# Altium PCB AEX1_PiOBD_V0.2_ALLPCB_6L.PcbDoc (part 2 of 4) (continued)
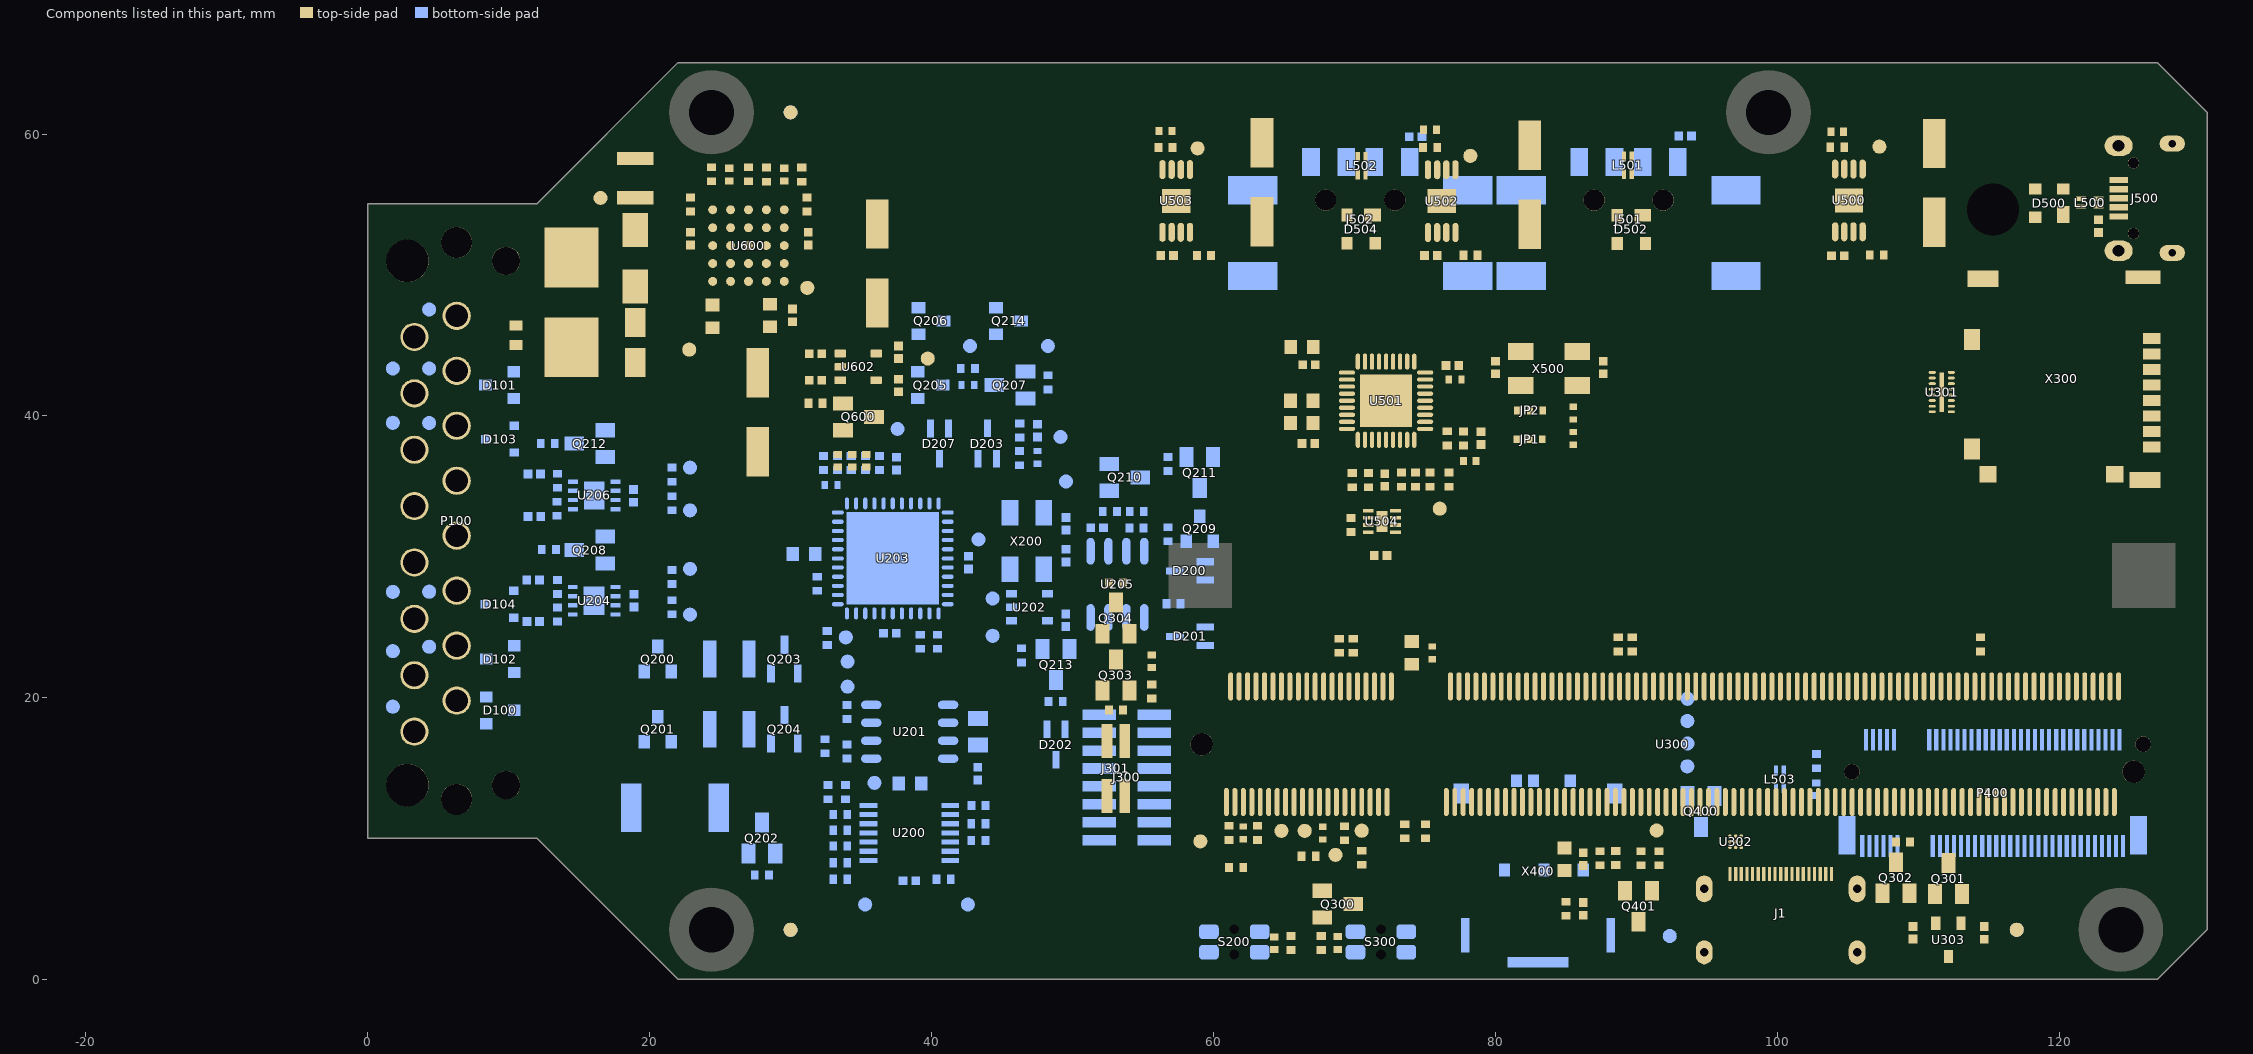
[diagram p6: the components of this part, seen from the top]
## Part data (continued)
D103 D104: library part CMP-2000-04916-1, "CAN Bus ESD Protection Diode, 200 W, 24 V, -65 to 150 degC, 3-Pin SOT23, RoHS, Tape and Reel", Breakdown Voltage=27.8V, Breakdown Voltage Max=30.3V, Breakdown Voltage Min=25.4V, Breakdown Voltage Range=25.4Vto30.3V, Capacitance Cd @ Vr Max=17pF, Capacitance Cd @ Vr Typ=11pF, Clamping Voltage @ 8/20µs Max=70V, Diode Case Style=SOT-23, Manufacturer="NXP Semiconductors", Operating Temperature max=150degC, Operating Temperature min=-65degC, Operating Temperature Range=-65degCto+150degC, Peak Pulse Current Ippm=3A, Peak Pulse Power=200W, Reverse Stand-Off Voltage Vrwm=24V, Breakover Voltage Min=25.4V, Clamping Voltage Vc Max=70V, Datasheet URL=https://datasheet.ciiva.com/22692/109497-22692467.pdf, Datasheet Version="Rev. 04, 02/2008", Diode Configuration=Bidirectional, Diode Type=BidirectionalTVS, Manufacturer URL=http://www.nxp.com/, No. of Pins=3, Package / Case=SOT-23, SMD Marking=AN, Stand-off Voltage=24V, SVHC=NoSVHC(20-Jun-2013), Termination Type=SMD, TVS Polarity=Bidirectional
D200 D201 D202 D203 D207: library part CMP-1176-00024-1, "Silicon Switching Diode, SOT323, Reel, Green", Manufacturer=Infineon, ComponentLink1Description="Manufacturer URL", ComponentLink1URL=http://www.infineon.com/, ComponentLink2Description=Datasheet, ComponentLink2URL=http://www.infineon.com/dgdl/bas16series.pdf?folderId=db3a30431400ef6801141b5844e103ea&fileId=db3a30431400ef6801141b93811b03ff, ComponentLink3Description="Package Specification", ComponentLink3URL=http://www.infineon.com/dgdl/SOT323-Package_Overview.pdf?folderId=db3a30431936bc4b0119533e1dcb3c92&fileId=db3a30431936bc4b011953495f283cb1, Configuration=Single, Green=TRUE, Halogen-free=TRUE, IF (max)="250 mA", IR (max)="100 nA", Mounting Technology="Surface Mount", PackageDescription="3-Pin Small Outline Transistor Package, 1.25 x 2 mm Body, 0.65 mm Pitch", PackageReference=SOT323, PartNumber=BAS16W, trr (max)="4 ns", VBR (min)="85 V", VF (max)="1.25 V", VR (max)="80 V"
D204 D205 D206 D300 D301 D302 D400 D501 D503 D505: library part CMP-06096-1, "Standard LEDs - SMD Yellowish Green 569nm 2.1mcd 50mW Pd 1.9V Vf", Case=0402, Colour LED1="yellowish green", Forward Current LED1=20mA, Forward Voltage LED1=1,9V, Manufacturer=ROHM, Manufacturer Part Number=SML-P11MT(R), Operating Temperature max=85°C, Operating Temperature min=-40°C, Reverse Voltage LED1=5V, Assembly=yes, ComponentLink1Description=Datahseet, ComponentLink1URL=https://d1d2qsbl8m0m72.cloudfront.net/en/products/databook/datasheet/opto/led/chip_mono/sml-p11-e.pdf, Luminous Intensity LED1=2.1mcd, Mounting Type=SMT, Wavelength LED1=569nm
D500 D502 D504: library part CMP-1188-00003-1, "Silicon Switching Diode Array, SOT143-4-1, Reel, Green", Manufacturer=Infineon, ComponentLink1Description="Manufacturer URL", ComponentLink1URL=http://www.infineon.com/, ComponentLink2Description=Datasheet, ComponentLink2URL=http://www.infineon.com/dgdl/bgx50aseries.pdf?folderId=db3a30431400ef6801141cc1c4cd04e8&fileId=db3a30431400ef6801141cc423c404e9, ComponentLink3Description="Package Specification", ComponentLink3URL=http://www.infineon.com/dgdl/SOT143-Package_Overview.pdf?folderId=db3a30431936bc4b011952ce8b1b3bed&fileId=db3a30431936bc4b011952df42203c0c, Configuration=Bridge, Green=TRUE, IF (max)="140 mA", IR (max)="0.2 uA", Mounting Technology="Surface Mount", PackageDescription="4-Pin Small Outline Transistor Package, 1.3 x 2.9 mm Body", PackageReference=SOT143, PartNumber=BGX50A, trr (max)="6 ns", VF (max)="1.3 V", VR (max)="50 V"
D506 D600 D601: library part CMP-06093-1, "Standard LEDs - SMD Red 621nm 2.5mcd 50mW Pd 1.8V Vf", Case=0402, Colour LED1=red, Forward Current LED1=20mA, Forward Voltage LED1=1.8V, Manufacturer=ROHM, Manufacturer Part Number=SML-P11UT(R), Operating Temperature max=85°C, Operating Temperature min=-40°C, Reverse Voltage LED1=5V, Assembly=yes, ComponentLink1Description=Datahseet, ComponentLink1URL=https://d1d2qsbl8m0m72.cloudfront.net/en/products/databook/datasheet/opto/led/chip_mono/sml-p11-e.pdf, Luminous Intensity LED1=2.5mcd, Mounting Type=SMT, Wavelength LED1=621nm
D602: library part CMP-04677-4, "50V Surface Mount Glass Passivated Rectifier", Case=DO-214AC, Forward Current=1A, Forward Voltage=1.1V, Manufacturer=VISHAY, Manufacturer Part Number=S1A-E3, Operating Temperature max=150°C, Operating Temperature min=-55°C, Reverse Current=1µA, Reverse Voltage=50V, Assembly=yes, ComponentLink1Description=Datasheet, ComponentLink1URL=http://www.vishay.com/diodes/list/product-88711/, Mounting Type=SMT, Reverse Recovery Time=1.8µs
D603: library part CMP-0548-00307-2, "Transient Voltage Suppressor, 6.40 to 231 V, 15 V Stand-off Voltage, Uni-Directional, -55 to 155 degC, 2-pin DO-214AC, Pb-Free, Tape and Reel", Manufacturer="Vishay Semiconductor", Operating Junction and Storage Temperature Range="-55 to 150 degC", ComponentLink1Description="Manufacturer URL", ComponentLink1URL=http://www.vishay.com/, ComponentLink2Description=Datasheet, ComponentLink2URL=http://www.vishay.com/docs/88390/smaj50a.pdf, ComponentLink3Description="Package Specification", ComponentLink3URL=http://www.vishay.com/docs/88390/smaj50a.pdf, DatasheetVersion=12/8/2013, ID (uA)=1, IFSM="40 A", Mounting Technology="Surface Mount", PackageDescription="2-Pin DO-214AC (SMA), Body 4.245 x 2.665 mm", PackageReference=DO-214AC-2, Packing="Tape and Reel", PartNumber=SMAJ15A-E3/5A, PPPM (W)="400, 300", RoHS=TRUE, VBR Uni-Directional (V)="6.4 to 231", VWM (V)=15
F1: library part CMP-00372-3, "Sicherung 3A - NANO2 > 154 OMNI-BLOK - Fuse and Holder Combination", Case="154 Series", Fuse Current=3A, Manufacturer=LITTELFUSE, Manufacturer Part Number=154003.DRT., Operating Temperature max=125°C, Operating Temperature min=-55°C, Voltage Rating AC/DC=125VDC, Assembly=yes, Blow Characteristic=T, ComponentLink1Description="Manufacturer Link", ComponentLink1URL=http://www.littelfuse.de/products/fuse-blocks-fuseholders-and-fuse-accessories/fuse-blocks/154.aspx, Mounting Type=SMT
FD1 FD2 FD3 FD4 FD5 FD6: library part CMP-00184-7, "Passermarke / Fiducial Marker / Kammera-Marke 1.0mm Durchmesser , 500µm Lackfreistellung", Case=1.0mm, Assembly=no
J1: library part CMP-1502-00171-1, "Mini HDMI Type C Receptacle WR-COM, Horizontal, SMT", Contact Resistance=30mOhm, Manufacturer="Wurth Elektronik", Operating Temperature=-25to85degC, Rated Current=0.5A, Working Voltage=40VAC, Connector Type=MiniHDMITypeC, Datasheet URL=https://katalog.we-online.de/em/datasheet/685119136923.pdf, Gender=Receptacle, Manufacturer URL=http://www.we-online.de, Mounting Technology=SMT, Orientation=Horizontal, Package Reference=685119136923, Packaging=TapeandReel, Part Number=685119136923, Publisher=WurthElektronik
J300: library part CMP-1502-00929-1, "SMT Vertical Pin Header WR-PHD, Pitch 1.27 mm, Dual Row, 16 pins", Contact Resistance=20mOhm, Manufacturer="Wurth Elektronik", Operating Temperature=-40to105degC, Rated Current=1A, Withstanding Voltage=500VAC, Working Voltage=100VAC, Datasheet URL=https://katalog.we-online.de/em/datasheet/62101621021.pdf, Gender=Male, Manufacturer URL=http://www.we-online.de, Mounting Technology=SMT, Orientation=Vertical, Package Reference=62101621021, Packaging=Tube, Part Number=62101621021, Pin Number=16, Pitch=1.27mm, Publisher=WurthElektronik, Row Number=Dual
J301: library part CMP-1502-00925-1, "SMT Vertical Pin Header WR-PHD, Pitch 1.27 mm, Dual Row, 4 pins", Contact Resistance=20mOhm, Manufacturer="Wurth Elektronik", Operating Temperature=-40to105degC, Rated Current=1A, Withstanding Voltage=500VAC, Working Voltage=100VAC, Datasheet URL=https://katalog.we-online.de/em/datasheet/62100421021.pdf, Gender=Male, Manufacturer URL=http://www.we-online.de, Mounting Technology=SMT, Orientation=Vertical, Package Reference=62100421021, Packaging=Tube, Part Number=62100421021, Pin Number=4, Pitch=1.27mm, Publisher=WurthElektronik, Row Number=Dual
J500: library part CMP-1502-03252-1, "Micro USB 2.0 Type B Receptacle WR-COM, Horizontal, SMT, with Pegs, High Current at Pin 1 & Pin 5", Contact Resistance=30mOhm, Manufacturer="Wurth Elektronik", Operating Temperature=-40to85degC, Rated Current=3A, Working Voltage=30VAC, Connector Type=MicroUSB2.0TypeB, Datasheet URL=https://katalog.we-online.de/em/datasheet/629105150521.pdf, Gender=Receptacle, Manufacturer URL=http://www.we-online.de, Mounting Technology=SMT, Orientation=Horizontal, Package Reference=629105150521, Packaging=TapeandReel, Part Number=629105150521, Publisher=WurthElektronik
J501 J502: library part CMP-1502-03232-1, "USB 2.0 Type A Receptacle WR-COM, Horizontal, SMT, Short Type with Pads and Pegs", Contact Resistance=30mOhm, Manufacturer="Wurth Elektronik", Operating Temperature=-40to85degC, Rated Current=1.5A, Working Voltage=30VAC, Connector Type=USB2.0TypeA, Datasheet URL=https://katalog.we-online.de/em/datasheet/629104190121.pdf, Gender=Receptacle, Manufacturer URL=http://www.we-online.de, Mounting Technology=SMT, Orientation=Horizontal, Package Reference=629104190121, Packaging=TapeandReel, Part Number=629104190121, Publisher=WurthElektronik
JP1 JP2: library part CMP-00156-12, Case="0402 Triple", Manufacturer=-, Operating Temperature max=0°C, Assembly=no, ComponentLink1Description=Datasheet, Manufacturer Part Number=-, Mounting Type=SMT, Operating Temperature min=0°C
JP3 JP4 JP302: library part CMP-04663-3, Case=0402, Manufacturer=YAGEO, Manufacturer Part Number=RC0402JR-070RL, Operating Temperature max=155°C, Operating Temperature min=-55°C, Assembly=yes, ComponentLink1Description=Datasheet, ComponentLink1URL=http://docs-europe.electrocomponents.com/webdocs/13ec/0900766b813ecb03.pdf, Mounting Type=SMT
JP200 JP201 JP301 JP303: library part CMP-04662-5, Case=-, Operating Temperature max=0°C, Assembly=no, ComponentLink1Description=Datasheet, Manufacturer=-, Manufacturer Part Number=-, Mounting Type=-, Operating Temperature min=0°C
L500 L501 L502 L503: library part CMP-2000-06161-1, "Chip Common Mode Choke Coil, 1.5 Ohm, 150 mA, -40 to 85 degC, 4-Pin SMD (1210), RoHS, Tape and Reel", Manufacturer=MurataElectronics, Package/Case=0504, Package Description="4-Pin Surface Mount Device, Body 1.25 x 1 mm, Pitch 0.55 mm", Package Reference=1210, Category=InductorSurfaceMount, Datasheet URL=http://datasheet.octopart.com/DLP11SN900HL2L-Murata-datasheet-62086405.pdf, Datasheet Version=07/2015, Impedance=90Ohm, Manufacturer URL=http://www.murata.com/, Mounting Technology=SurfaceMount, Product Depth=1mm, Type=CommonMode
MP1: library part 9774015151R, "SMT Steel Spacer with internal Thread M2.5 WA-SMSI, height 1.5mm", Operating Temperature="-55 to 150 degC", ComponentLink1Description=Manufacturer, ComponentLink1URL=http://www.we-online.de, ComponentLink2Description=Datasheet, ComponentLink2URL=https://katalog.we-online.de/em/datasheet/9774015151R.pdf, Height="1.5 mm", Material=Steel, Mounting Technology=SMT, Packaging="Tape and Reel", Part Number=9774015151R, Published Date="November 2018", Publisher="Wurth Elektronik", Solder Cream Thickness="150 um", Surface=Tin, Thread=M2.5, Tightening Torque="0.35 Nm"
P100: library part CMP-06105-10, "OBD-2 Stiftblock rechtwinklig PCB Montagewinkel", Current Rating=0A, Manufacturer="COMTECH ELECTRONIC CO., LTD", Manufacturer Part Number=CR-PG032, Operating Temperature max=85°C, Operating Temperature min=-20°C, Voltage Rating=30V, Assembly=yes, ComponentLink1Description=Datasheet, ComponentLink1URL=https://www.obd2-shop.eu/product_info.php/products_id/303, Gender=male, Mounting Type=SMT, Number of Pins=16, Number of Rows=2, Pitch Spacing=3.9mm
P400: library part CMP-06102-3, "The M.2 (Next Generation Form Factor) product line is a natural transition from the Mini Card and Half Mini Card to a smaller form factor in both size and volume.", Current Rating=500mA, Manufacturer="TE connectivity", Manufacturer Part Number=2199119-3, Operating Temperature max=80°C, Operating Temperature min=-40°C, Voltage Rating=50V, Assembly=yes, ComponentLink1Description=Datasheet, Gender=male, Mounting Type=SMT, Number of Pins=67, Number of Rows=2, Pitch Spacing=500µm
Q200 Q201 Q205 Q206 Q209 Q214: library part CMP-2000-06487-1, "HEXFET(R) Power MOSFET, 3.6 A, 30 V, -55 to 150 degC, 3-Pin SOT-23, RoHS, Tape and Reel", Current - Continuous Drain (Id) @ 25°C=3.6A(Ta), Drain to Source Voltage (Vdss)=30V, Input Capacitance (Ciss) @ Vds=388pF@25V, Manufacturer=InfineonTechnologies, Operating Temperature=-55°C~150°C(TJ), Package / Case=TO-236-3,SC-59,SOT-23-3, Package Description="3-Pin Small Outline Transistor, Body 2.92 x 1.3 mm, Pitch 0.95 mm", Package Reference=SOT-23-3, Power - Max=1.3W, Supplier Device Package=Micro3™/SOT-23, Category=DiscreteSemiconductorProducts, Datasheet URL=http://www.infineon.com/dgdl/irlml9301pbf.pdf?fileId=5546d462533600a401535668e5e42640, Datasheet Version=02/2012, Family=Transistors-FETs,MOSFETs-Single, FET Feature=Standard, FET Type=MOSFETP-Channel,MetalOxide, Gate Charge (Qg) @ Vgs=4.8nC@4.5V, Manufacturer URL=http://www.infineon.com/, Mounting Technology=SurfaceMount, Mounting Type=SurfaceMount, Packaging=Tape&Reel(TR), Part Status=Active, Rds On (Max) @ Id, Vgs=64mOhm@3.6A,10V, Series=HEXFET®, Vgs(th) (Max) @ Id=2.4V@10µA
Q202 Q207 Q208 Q210 Q211 Q212 Q213 Q300 Q301 Q302 Q303 Q304 Q400 Q401 Q600: library part CMP-00444-5, "MOSFET N-CH 50V 220MA SOT-23", Case=SOT23-3, Drain Current DC=220mA, Drain Source On Resistance=3.5, Drain Source Voltage=50V, Gate Source Voltage=20V, Manufacturer="ON SEMICONDUCTOR", Manufacturer Part Number=BSS138, Operating Temperature max=150°C, Operating Temperature min=-55°C, Threshold Voltage=1.3V, Assembly=yes, ComponentLink1Description=Datasheet, ComponentLink1URL=https://www.onsemi.com/pub/Collateral/BSS138-D.PDF, Mounting Type=SMT, Transistor Polarity=N-Channel
Q203 Q204: library part CMP-06652-2, "NPN small signal transistor, 40V, 600mA, SOT23", Case=SOT23, Collector Basis Voltage=75V, Collector Emitter Breakdown Voltage=40V, DC Current Gain max=300, DC Current Gain min=100, Emitter Basis Voltage=6V, Manufacturer="DIODES INCORPORATED", Manufacturer Part Number=MMBT2222A-7-F, Operating Temperature max=150°C, Operating Temperature min=-55°C, Power Dissipation=300mW, Assembly=yes, Collector Emitter Voltage=40V, ComponentLink1Description="Manufacturer Link", ComponentLink1URL=http://www.farnell.com/datasheets/2238355.pdf, Mounting Type=SMT, Transistor Polarity=NPN
R200 R211 R212 R220 R239 R240 R241 R308 R309 R310 R319 R400 R503 R505 R509 R510 R600 R601: library part CMP-00843-3, "RC0402 series chip resistor with lead-free terminations made by thick film process", Case="0402 [1005]", Current Rating=1A, Manufacturer=YAGEO, Manufacturer Part Number=RC0402FR-071KL, Operating Temperature max=155°C, Operating Temperature min=-55°C, Power Rating=62,5mW, Resistance=1k, Resistance Tolerance=1%, Resistor Element Type="Thick Film", Temperature Coefficient=±100ppm/K, Voltage Rating=50V, Assembly=yes, ComponentLink1Description=Datasheet, ComponentLink1URL=http://www.yageo.com/documents/recent/PYu-RC0402_51_RoHS_L_6.pdf, IPC Footprint Naming=RESC1005X04, Mounting Type=SMT
R201: library part CMP-00862-3, "RC0402 series chip resistor with lead-free terminations made by thick film process", Case="0402 [1005]", Current Rating=1A, Manufacturer=YAGEO, Manufacturer Part Number=RC0402FR-071K5L, Operating Temperature max=155°C, Operating Temperature min=-55°C, Power Rating=62,5mW, Resistance=1,5k, Resistance Tolerance=1%, Resistor Element Type="Thick Film", Temperature Coefficient=±100ppm/K, Voltage Rating=50V, Assembly=yes, ComponentLink1Description=Datasheet, ComponentLink1URL=http://www.yageo.com/documents/recent/PYu-RC0402_51_RoHS_L_6.pdf, IPC Footprint Naming=RESC1005X04, Mounting Type=SMT
R202: library part CMP-02523-5, "RC0805 series chip resistor with lead-free terminations made by thick film process", Case="0805 [2012]", Current Rating=2A, Manufacturer=YAGEO, Manufacturer Part Number=RC0805FR-076K49L, Operating Temperature max=155°C, Operating Temperature min=-55°C, Power Rating=125mW, Resistance=6.49k, Resistance Tolerance=1%, Resistor Element Type="Thick Film", Temperature Coefficient=±100ppm/K, Voltage Rating=150V, Assembly=yes, ComponentLink1Description="Manufacturer Link", ComponentLink1URL=http://www.yageo.com/NewPortal/yageo?service=chipResistors&layer2=Thick%20Film%20General%20Purpose&lang=en, IPC Footprint Naming=RESC2012X07, Mounting Type=SMT
R203: library part CMP-04950-1, "Thick film chip resistor 2512, 2W", Case="2512 [6432]", Manufacturer=Bourns, Manufacturer Part Number=CRS2512-FW-3R30ELF, Operating Temperature max=155°C, Operating Temperature min=-55°C, Power Rating=2W, Resistance=130, Resistance Tolerance=1%, Temperature Coefficient=200ppm/K, Voltage Rating=600V, Assembly=yes, ComponentLink1Description=Datasheet, ComponentLink1URL=http://www.farnell.com/datasheets/2059763.pdf, IPC Footprint Naming=RESC6432X08, Mounting Type=SMD, Supplier=Farnell, Supplier Part ID=2470979
R204 R210 R213 R214: library part CMP-00958-3, "RC0402 series chip resistor with lead-free terminations made by thick film process", Case="0402 [1005]", Current Rating=1A, Manufacturer=YAGEO, Manufacturer Part Number=RC0402FR-0710KL, Operating Temperature max=155°C, Operating Temperature min=-55°C, Power Rating=62.5mW, Resistance=10k, Resistance Tolerance=1%, Resistor Element Type="Thick Film", Temperature Coefficient=±100ppm/K, Voltage Rating=50V, Assembly=yes, ComponentLink1Description=Datasheet, ComponentLink1URL=http://www.yageo.com/documents/recent/PYu-RC0402_51_RoHS_L_6.pdf, IPC Footprint Naming=RESC1005X04, Mounting Type=SMT
R205 R206 R209 R227 R228 R231 R234 R235 R236 R237 R244 R245 R246 R249 R250 R500 R501 R502 R512 R513 R514: library part CMP-00958-3, "RC0402 series chip resistor with lead-free terminations made by thick film process", Case="0402 [1005]", Current Rating=1A, Manufacturer=YAGEO, Manufacturer Part Number=RC0402FR-0710KL, Operating Temperature max=155°C, Operating Temperature min=-55°C, Power Rating=62,5mW, Resistance=10k, Resistance Tolerance=1%, Resistor Element Type="Thick Film", Temperature Coefficient=±100ppm/K, Voltage Rating=50V, Assembly=yes, ComponentLink1Description=Datasheet, ComponentLink1URL=http://www.yageo.com/documents/recent/PYu-RC0402_51_RoHS_L_6.pdf, IPC Footprint Naming=RESC1005X04, Mounting Type=SMT
R207 R208: library part CMP-1015-00067-1, "510R 0.5W 5% 1210 (3225 Metric)  SMD", Case-EIA=1210, Case-Metric=3225, Power="0.5 W", Tolerance="5 %", Technology=SMT
R215 R216 R217 R221 R222 R223 R224 R229 R238 R251 R252 R300 R301 R302 R303 R304 R305 R306 R307 R312 R314 R315 R316 R317 R318 R320 R504 R511 R515 R516 R517 R605 R606: library part CMP-01074-3, "RC0402 series chip resistor with lead-free terminations made by thick film process", Case="0402 [1005]", Current Rating=1A, Manufacturer=YAGEO, Manufacturer Part Number=RC0402FR-07100KL, Operating Temperature max=155°C, Operating Temperature min=-55°C, Power Rating=62,5mW, Resistance=100k, Resistance Tolerance=1%, Resistor Element Type="Thick Film", Temperature Coefficient=±100ppm/K, Voltage Rating=50V, Assembly=yes, ComponentLink1Description=Datasheet, ComponentLink1URL=http://www.yageo.com/documents/recent/PYu-RC0402_51_RoHS_L_6.pdf, IPC Footprint Naming=RESC1005X04, Mounting Type=SMT
R218 R219 R232 R233: library part CMP-00729-3, "RC0402 series chip resistor with lead-free terminations made by thick film process", Case="0402 [1005]", Current Rating=1A, Manufacturer=YAGEO, Manufacturer Part Number=RC0402FR-07100RL, Operating Temperature max=155°C, Operating Temperature min=-55°C, Power Rating=62,5mW, Resistance=100, Resistance Tolerance=1%, Resistor Element Type="Thick Film", Temperature Coefficient=±100ppm/K, Voltage Rating=50V, Assembly=yes, ComponentLink1Description=Datasheet, ComponentLink1URL=http://www.yageo.com/documents/recent/PYu-RC0402_51_RoHS_L_6.pdf, IPC Footprint Naming=RESC1005X04, Mounting Type=SMT
R225: library part CMP-00770-3, "RC0402 series chip resistor with lead-free terminations made by thick film process", Case="0402 [1005]", Current Rating=1A, Manufacturer=YAGEO, Manufacturer Part Number=RC0402FR-07240RL, Operating Temperature max=155°C, Operating Temperature min=-55°C, Power Rating=62,5mW, Resistance=240, Resistance Tolerance=1%, Resistor Element Type="Thick Film", Temperature Coefficient=±100ppm/K, Voltage Rating=50V, Assembly=yes, ComponentLink1Description=Datasheet, ComponentLink1URL=http://www.yageo.com/documents/recent/PYu-RC0402_51_RoHS_L_6.pdf, IPC Footprint Naming=RESC1005X04, Mounting Type=SMT
R226: library part CMP-00836-3, "RC0402 series chip resistor with lead-free terminations made by thick film process", Case="0402 [1005]", Current Rating=1A, Manufacturer=YAGEO, Manufacturer Part Number=RC0402FR-07866RL, Operating Temperature max=155°C, Operating Temperature min=-55°C, Power Rating=62.5mW, Resistance=866, Resistance Tolerance=1%, Resistor Element Type="Thick Film", Temperature Coefficient=±100ppm/K, Voltage Rating=50V, Assembly=yes, ComponentLink1Description=Datasheet, ComponentLink1URL=http://www.yageo.com/documents/recent/PYu-RC0402_51_RoHS_L_6.pdf, IPC Footprint Naming=RESC1005X04, Mounting Type=SMT
R230: library part CMP-00793-3, "RC0402 series chip resistor with lead-free terminations made by thick film process", Case="0402 [1005]", Current Rating=1A, Manufacturer=YAGEO, Manufacturer Part Number=RC0402FR-07374RL, Operating Temperature max=155°C, Operating Temperature min=-55°C, Power Rating=62,5mW, Resistance=374, Resistance Tolerance=1%, Resistor Element Type="Thick Film", Temperature Coefficient=±100ppm/K, Voltage Rating=50V, Assembly=yes, ComponentLink1Description=Datasheet, ComponentLink1URL=http://www.yageo.com/documents/recent/PYu-RC0402_51_RoHS_L_6.pdf, IPC Footprint Naming=RESC1005X04, Mounting Type=SMT
R242: library part CMP-00616-3, "RC0402 series chip resistor with lead-free terminations made by thick film process", Case="0402 [1005]", Current Rating=1A, Manufacturer=YAGEO, Manufacturer Part Number=RC0402FR-0710RL, Operating Temperature max=155°C, Operating Temperature min=-55°C, Power Rating=62,5mW, Resistance=10, Resistance Tolerance=1%, Resistor Element Type="Thick Film", Temperature Coefficient=±200ppm/K, Voltage Rating=50V, Assembly=yes, ComponentLink1Description=Datasheet, ComponentLink1URL=http://www.yageo.com/documents/recent/PYu-RC0402_51_RoHS_L_6.pdf, IPC Footprint Naming=RESC1005X04, Mounting Type=SMT
R243: library part CMP-00891-3, "RC0402 series chip resistor with lead-free terminations made by thick film process", Case="0402 [1005]", Current Rating=1A, Manufacturer=YAGEO, Manufacturer Part Number=RC0402FR-072K7L, Operating Temperature max=155°C, Operating Temperature min=-55°C, Power Rating=62,5mW, Resistance=2,7k, Resistance Tolerance=1%, Resistor Element Type="Thick Film", Temperature Coefficient=±100ppm/K, Voltage Rating=50V, Assembly=yes, ComponentLink1Description=Datasheet, ComponentLink1URL=http://www.yageo.com/documents/recent/PYu-RC0402_51_RoHS_L_6.pdf, IPC Footprint Naming=RESC1005X04, Mounting Type=SMT
R247: library part CMP-01136-3, "RC0402 series chip resistor with lead-free terminations made by thick film process", Case="0402 [1005]", Current Rating=1A, Manufacturer=YAGEO, Manufacturer Part Number=RC0402FR-07330KL, Operating Temperature max=155°C, Operating Temperature min=-55°C, Power Rating=62.5mW, Resistance=330k, Resistance Tolerance=1%, Resistor Element Type="Thick Film", Temperature Coefficient=±100ppm/K, Voltage Rating=50V, Assembly=yes, ComponentLink1Description=Datasheet, ComponentLink1URL=http://www.yageo.com/documents/recent/PYu-RC0402_51_RoHS_L_6.pdf, IPC Footprint Naming=RESC1005X04, Mounting Type=SMT
R248: library part CMP-01051-3, "RC0402 series chip resistor with lead-free terminations made by thick film process", Case="0402 [1005]", Current Rating=1A, Manufacturer=YAGEO, Manufacturer Part Number=RC0402FR-0762KL, Operating Temperature max=155°C, Operating Temperature min=-55°C, Power Rating=62,5mW, Resistance=62k, Resistance Tolerance=1%, Resistor Element Type="Thick Film", Temperature Coefficient=±100ppm/K, Voltage Rating=50V, Assembly=yes, ComponentLink1Description=Datasheet, ComponentLink1URL=http://www.yageo.com/documents/recent/PYu-RC0402_51_RoHS_L_6.pdf, IPC Footprint Naming=RESC1005X04, Mounting Type=SMT
R311: library part CMP-01036-3, "RC0402 series chip resistor with lead-free terminations made by thick film process", Case="0402 [1005]", Current Rating=1A, Manufacturer=YAGEO, Manufacturer Part Number=RC0402FR-0747KL, Operating Temperature max=155°C, Operating Temperature min=-55°C, Power Rating=62.5mW, Resistance=47k, Resistance Tolerance=1%, Resistor Element Type="Thick Film", Temperature Coefficient=±100ppm/K, Voltage Rating=50V, Assembly=yes, ComponentLink1Description=Datasheet, ComponentLink1URL=http://www.yageo.com/documents/recent/PYu-RC0402_51_RoHS_L_6.pdf, IPC Footprint Naming=RESC1005X04, Mounting Type=SMT
R401: library part CMP-01012-3, "RC0402 series chip resistor with lead-free terminations made by thick film process", Case="0402 [1005]", Current Rating=1A, Manufacturer=YAGEO, Manufacturer Part Number=RC0402FR-0730KL, Operating Temperature max=155°C, Operating Temperature min=-55°C, Power Rating=62,5mW, Resistance=30k, Resistance Tolerance=1%, Resistor Element Type="Thick Film", Temperature Coefficient=±100ppm/K, Voltage Rating=50V, Assembly=yes, ComponentLink1Description=Datasheet, ComponentLink1URL=http://www.yageo.com/documents/recent/PYu-RC0402_51_RoHS_L_6.pdf, IPC Footprint Naming=RESC1005X04, Mounting Type=SMT
R402: library part CMP-00696-3, "RC0402 series chip resistor with lead-free terminations made by thick film process", Case="0402 [1005]", Current Rating=1A, Manufacturer=YAGEO, Manufacturer Part Number=RC0402FR-0751RL, Operating Temperature max=155°C, Operating Temperature min=-55°C, Power Rating=62.5mW, Resistance=51, Resistance Tolerance=1%, Resistor Element Type="Thick Film", Temperature Coefficient=±100ppm/K, Voltage Rating=50V, Assembly=yes, ComponentLink1Description=Datasheet, ComponentLink1URL=http://www.yageo.com/documents/recent/PYu-RC0402_51_RoHS_L_6.pdf, IPC Footprint Naming=RESC1005X04, Mounting Type=SMT
R506: library part CMP-00966-3, "RC0402 series chip resistor with lead-free terminations made by thick film process", Case="0402 [1005]", Current Rating=1A, Manufacturer=YAGEO, Manufacturer Part Number=RC0402FR-0712KL, Operating Temperature max=155°C, Operating Temperature min=-55°C, Power Rating=62,5mW, Resistance=12k, Resistance Tolerance=1%, Resistor Element Type="Thick Film", Temperature Coefficient=±100ppm/K, Voltage Rating=50V, Assembly=yes, ComponentLink1Description=Datasheet, ComponentLink1URL=http://www.yageo.com/documents/recent/PYu-RC0402_51_RoHS_L_6.pdf, IPC Footprint Naming=RESC1005X04, Mounting Type=SMT
R602: library part CMP-00972-3, "RC0402 series chip resistor with lead-free terminations made by thick film process", Case="0402 [1005]", Current Rating=1A, Manufacturer=YAGEO, Manufacturer Part Number=RC0402FR-0713K3L, Operating Temperature max=155°C, Operating Temperature min=-55°C, Power Rating=62,5mW, Resistance=13,3k, Resistance Tolerance=1%, Resistor Element Type="Thick Film", Temperature Coefficient=±100ppm/K, Voltage Rating=50V, Assembly=yes, ComponentLink1Description=Datasheet, ComponentLink1URL=http://www.yageo.com/documents/recent/PYu-RC0402_51_RoHS_L_6.pdf, IPC Footprint Naming=RESC1005X04, Mounting Type=SMT
R603: library part CMP-04839-2, "0402 series chip resistor with lead-free terminations made by thick film process", Case=0402, Manufacturer=Panasonic, Manufacturer Part Number=ERJ-2RKF8251X, Operating Temperature max=155°C, Operating Temperature min=-55°C, Power Rating=100mW, Resistance=8,25k, Resistance Tolerance=1%, Voltage Rating=50V, Assembly=yes, Mounting Type=SMT
R604: library part CMP-01135-3, "RC0402 series chip resistor with lead-free terminations made by thick film process", Case="0402 [1005]", Current Rating=1A, Manufacturer=YAGEO, Manufacturer Part Number=RC0402FR-07324KL, Operating Temperature max=155°C, Operating Temperature min=-55°C, Power Rating=62,5mW, Resistance=324k, Resistance Tolerance=1%, Resistor Element Type="Thick Film", Temperature Coefficient=±100ppm/K, Voltage Rating=50V, Assembly=yes, ComponentLink1Description=Datasheet, ComponentLink1URL=http://www.yageo.com/documents/recent/PYu-RC0402_51_RoHS_L_6.pdf, IPC Footprint Naming=RESC1005X04, Mounting Type=SMT
S200 S300: library part CMP-00429-5, "Tactile Switch SPST-NO Side Actuated Surface Mount, Right Angle", Case=EVQP7M, Contact Current Rating=50mA, Contact Voltage DC=12V, Manufacturer=PANASONIC, Manufacturer Part Number=EVQ-P7M01P, Operating Temperature max=70°C, Operating Temperature min=-20°C, Assembly=yes, ComponentLink1Description=Datasheet, ComponentLink1URL=https://industrial.panasonic.com/cdbs/www-data/pdf/ATK0000/ATK0000CE20.pdf, Contact Form=SPST-NO, Mounting Type=SMT, Number of Position=1, Switch Function="off - on", Switch Type=Tactile
TP100 TP101 TP102 TP103 TP104 TP105 TP106 TP107 TP108 TP109 TP200 TP201 TP202 TP203 TP204 TP205 TP207 TP208 TP209 TP210 TP211 TP212 TP213 TP214 TP215 TP216 TP217 TP218 TP300 TP301 TP302 TP303 TP305 TP314 TP400 TP401 TP402 TP403 TP410 TP501 TP503 TP506 TP509 TP600 TP601 TP603 TP604: library part CMP-04511-8, Case="1.0x1.0mm, round", Assembly=no
U200: library part CMP-1305-00069-1, "Single Supply Quad Comparators, 0 to 70 degC, 14-Pin TSSOP, Pb-Free, Tape and Reel", Manufacturer="On Semiconductor", ComponentLink1Description="Manufacturer URL", ComponentLink1URL=http://www.onsemi.com/, ComponentLink2Description=Datasheet, ComponentLink2URL=http://www.onsemi.com/pub_link/Collateral/LM339-D.PDF, ComponentLink3Description="Package Specification", ComponentLink3URL=http://www.onsemi.com/pub_link/Collateral/948G-01.PDF, DatasheetVersion="Rev. 20", IO Typ (mA)=16, Mounting Technology="Surface Mount", PackageDescription="14-Pin Small Outline Package, Body 5 x 4.4 mm, Pitch 0.65 mm", PackageReference=TSSOP-14-948G-01, PackageVersion="Rev. B, 10/2006", Packing="Tape and Reel", PartNumber=LM339DTBR2G, RoHS=TRUE
U201: library part CMP-06113-4, "CAN-IC-Schnittstelle Single Wire CAN Transceiver (GMW3089 V2.x) in SOIC8", Case=SOIC-8, Manufacturer=MELEXIS, Manufacturer Part Number=TH8056KDC-AAA-008-RE, Operating Temperature max=125°C, Operating Temperature min=-40°C, Supply Voltage max=18V, Supply Voltage min=6V, Assembly=yes, ComponentLink1Description=Datasheet, ComponentLink1URL=https://www.melexis.com/-/media/files/documents/product-flyers/th8056-product-flyer-melexis.pdf, IC Interface Type="CAN Transceiver", Mounting Type=SMT
U202: library part CMP-0859-00046-3, "Single 2-Input Positive-OR Gate, DBV0005A, LARGE T&R", F @ Nom Voltage(Max)(Mhz)=150, Generic Part Number=SN74LVC1G32, ICC @ Nom Voltage(Max)(mA)=0.01, Manufacturer="Texas Instruments", Operating Temperature Range(C)="-40 to 125,-40 to 85", Rating=Catalog, tpd @ Nom Voltage(Max)(ns)=7.2,4.4,3.6,3.4, Voltage(Nom)(V)=1.8,2.5,3.3,5, 3-State Output=No, Bits(#)=1, DatasheetVersion=SCES219U, Input Type=CMOS/TTL, Logic=True, Output Drive (IOL/IOH)(Max)(mA)=32/-32, Output Type=CMOS, PackageReference=DBV0005A, Schmitt Trigger=No, Sub-Family="OR Gate", Technology Family=LVC, VCC(Max)(V)=5.5, VCC(Min)(V)=1.65
U203: library part CMP-06092-5, "The STN2120 and STN2100 are OBD to UART interpreter ICs designed to provide bi-directional, halfduplex communication with the vehicle¿s On-Board Diagnostic system (OBD-II).", Case=QFN-44, Manufacturer="OBD SOLUTIONS", Manufacturer Part Number=STN2120, Operating Temperature max=85°C, Operating Temperature min=-40°C, Supply Voltage max=3.6V, Supply Voltage min=3V, Assembly=yes, ComponentLink1Description=Datasheet, ComponentLink1URL=https://www.obdsol.com/solutions/chips/stn2120/, Mounting Type=SMT
U204 U206: library part CMP-06112-6, "High-speed CAN Transceiver with Standby Mode and VIO Pin", Case=SON-8, Manufacturer=MICROCHIP, Manufacturer Part Number=MCP2562-E/MF, Operating Temperature max=125°C, Operating Temperature min=-40°C, Supply Voltage max=5.5V, Supply Voltage min=4.5V, Assembly=yes, ComponentLink1Description=Datasheet, ComponentLink1URL=http://www.farnell.com/datasheets/1885777.pdf, Mounting Type=SMT
U205: library part CMP-0244-00272-1, "Low Current 1.2 to 37V Adjustable Voltage Regulator, 8-Pin SO, Tape and Reel", Code_IPC=SOIC127P600-8, Code_JEDEC=MS-012-AA, ComponentLink1Description="Manufacturer URL", ComponentLink1URL=http://www.st.com, ComponentLink2Description=Datasheet, ComponentLink2URL=http://www.st.com/internet/com/TECHNICAL_RESOURCES/TECHNICAL_LITERATURE/DATASHEET/CD00000469.pdf, ComponentLink3Description="Package Specification", ComponentLink3URL=http://www.st.com/internet/com/TECHNICAL_RESOURCES/TECHNICAL_LITERATURE/PACKAGE_INFORMATION/CD00004680.pdf, DatasheetVersion=1/05/2007, PackageDescription="8-Pin Small Outline Integrated Circuit 1.27 mm Pitch", PackageReference=SO8, PackageVersion=1/12/2002
U300: library part CMP-06101-2, "Compute Module SODIMM Pinout for CM3 Lite, also compatible with CM1 and CM3 check Datasheet.", Case=DDR2-SODIMM, Case/Package=Module, Manufacturer="TE CONNECTIVITY", Manufacturer Part Number=1473005-4, Operating Temperature max=85°C, Operating Temperature min=-55°C, Socket for Case Type=SODIMM, Assembly=yes, ComponentLink1Description=Datasheet, ComponentLink1URL=https://www.te.com/commerce/DocumentDelivery/DDEController?Action=showdoc&DocId=Customer+Drawing%7F1473005%7FJ3%7Fpdf%7FEnglish%7FENG_CD_1473005_J3.pdf%7F1473005-4, Core Architecture=ARM, Evaluation Kit=Yes, Mounting Type=SMT, Number of Position=200, Number of Rows=2, Pitch Spacing=600µm
U301: library part CMP-06814-1, "6-line IPAD¿, EMI filter and ESD protection", Breakdown Voltage=5V, Case="Micro QFN 3.5x1.2 16L", ESD Voltage Air=12kV, ESD Voltage Contact=8kV, Manufacturer=STMicroelectronics, Manufacturer Part Number=EMIF06-MSD02N16, Operating Temperature max=85°C, Operating Temperature min=-30°C, Assembly=yes, ComponentLink1Description=Datasheet, ComponentLink1URL=https://www.st.com/resource/en/datasheet/emif06-msd02n16.pdf, IPC Footprint Naming=QFN40P117X348X55-17, Mounting Type=SMT, No. of Channels=6
U302: library part CMP-1063-00280-1, "5-Line HDMI Control Line, ESD Protection, 9-Pin WLCSP, Pb-Free, Tape and Reel", Manufacturer="On Semiconductor", ComponentLink1Description="Manufacturer URL", ComponentLink1URL=http://www.onsemi.com/, ComponentLink2Description=Datasheet, ComponentLink2URL=http://www.onsemi.cn/pub_link/Collateral/ESD5384-D.PDF, ComponentLink3Description="Package Specification", ComponentLink3URL=http://www.onsemi.cn/pub_link/Collateral/567CX.PDF, DatasheetVersion="Rev. 0", Direction=Unidirectional, Mounting Technology="Surface Mount", Number of Lines=5, PackageDescription="9-Ball Wafer Level Chip Scale Package, Body 1.14 x 1.14 mm, Pitch 0.4 mm", PackageReference=WLCSP-9-567CX-01, PackageVersion="Rev. O, 10/2010", Packing="Tape and Reel", PartNumber=ESD5384NCTBG, RoHS=Pb-Free, V(BR) Min (V)=6
U303: library part CMP-06926-2, "0.2A Single Channel Current-Limited Load Switch", Case=SOT23, Input Voltage max=6,5V, Input Voltage min=2,7V, Manufacturer="DIODES INCORPORATED", Manufacturer Part Number=AP2331SA-7, Operating Temperature max=85°C, Operating Temperature min=-40°C, Output Current max=200mA, Assembly=yes, ComponentLink1URL=https://www.diodes.com/assets/Datasheets/AP2331.pdf, Mounting Type=SMT, No. of Outputs=1
U500 U502 U503: library part CMP-06137-5, "2A SINGLE CHANNEL CURR / ENT-LIMITED POWER SWITCH, high-side power switch for USB", Case=MSOP-8EP, Input Voltage max=6.5V, Input Voltage min=2.7V, Manufacturer="DIODES INCORPORATED", Manufacturer Part Number=AP2111MPG-13, Operating Temperature max=85°C, Operating Temperature min=-35°C, Output Current max=2A, Output Voltage max=5.5V, Output Voltage min=1.6V, Assembly=yes, ComponentLink1Description=Datasheet, ComponentLink1URL=https://www.diodes.com/assets/Datasheets/AP2101_2111.pdf, Mounting Type=SMT, No. of Outputs=1